# Altium PCB driver_io.PcbDoc (part 1 of 2) (continued)
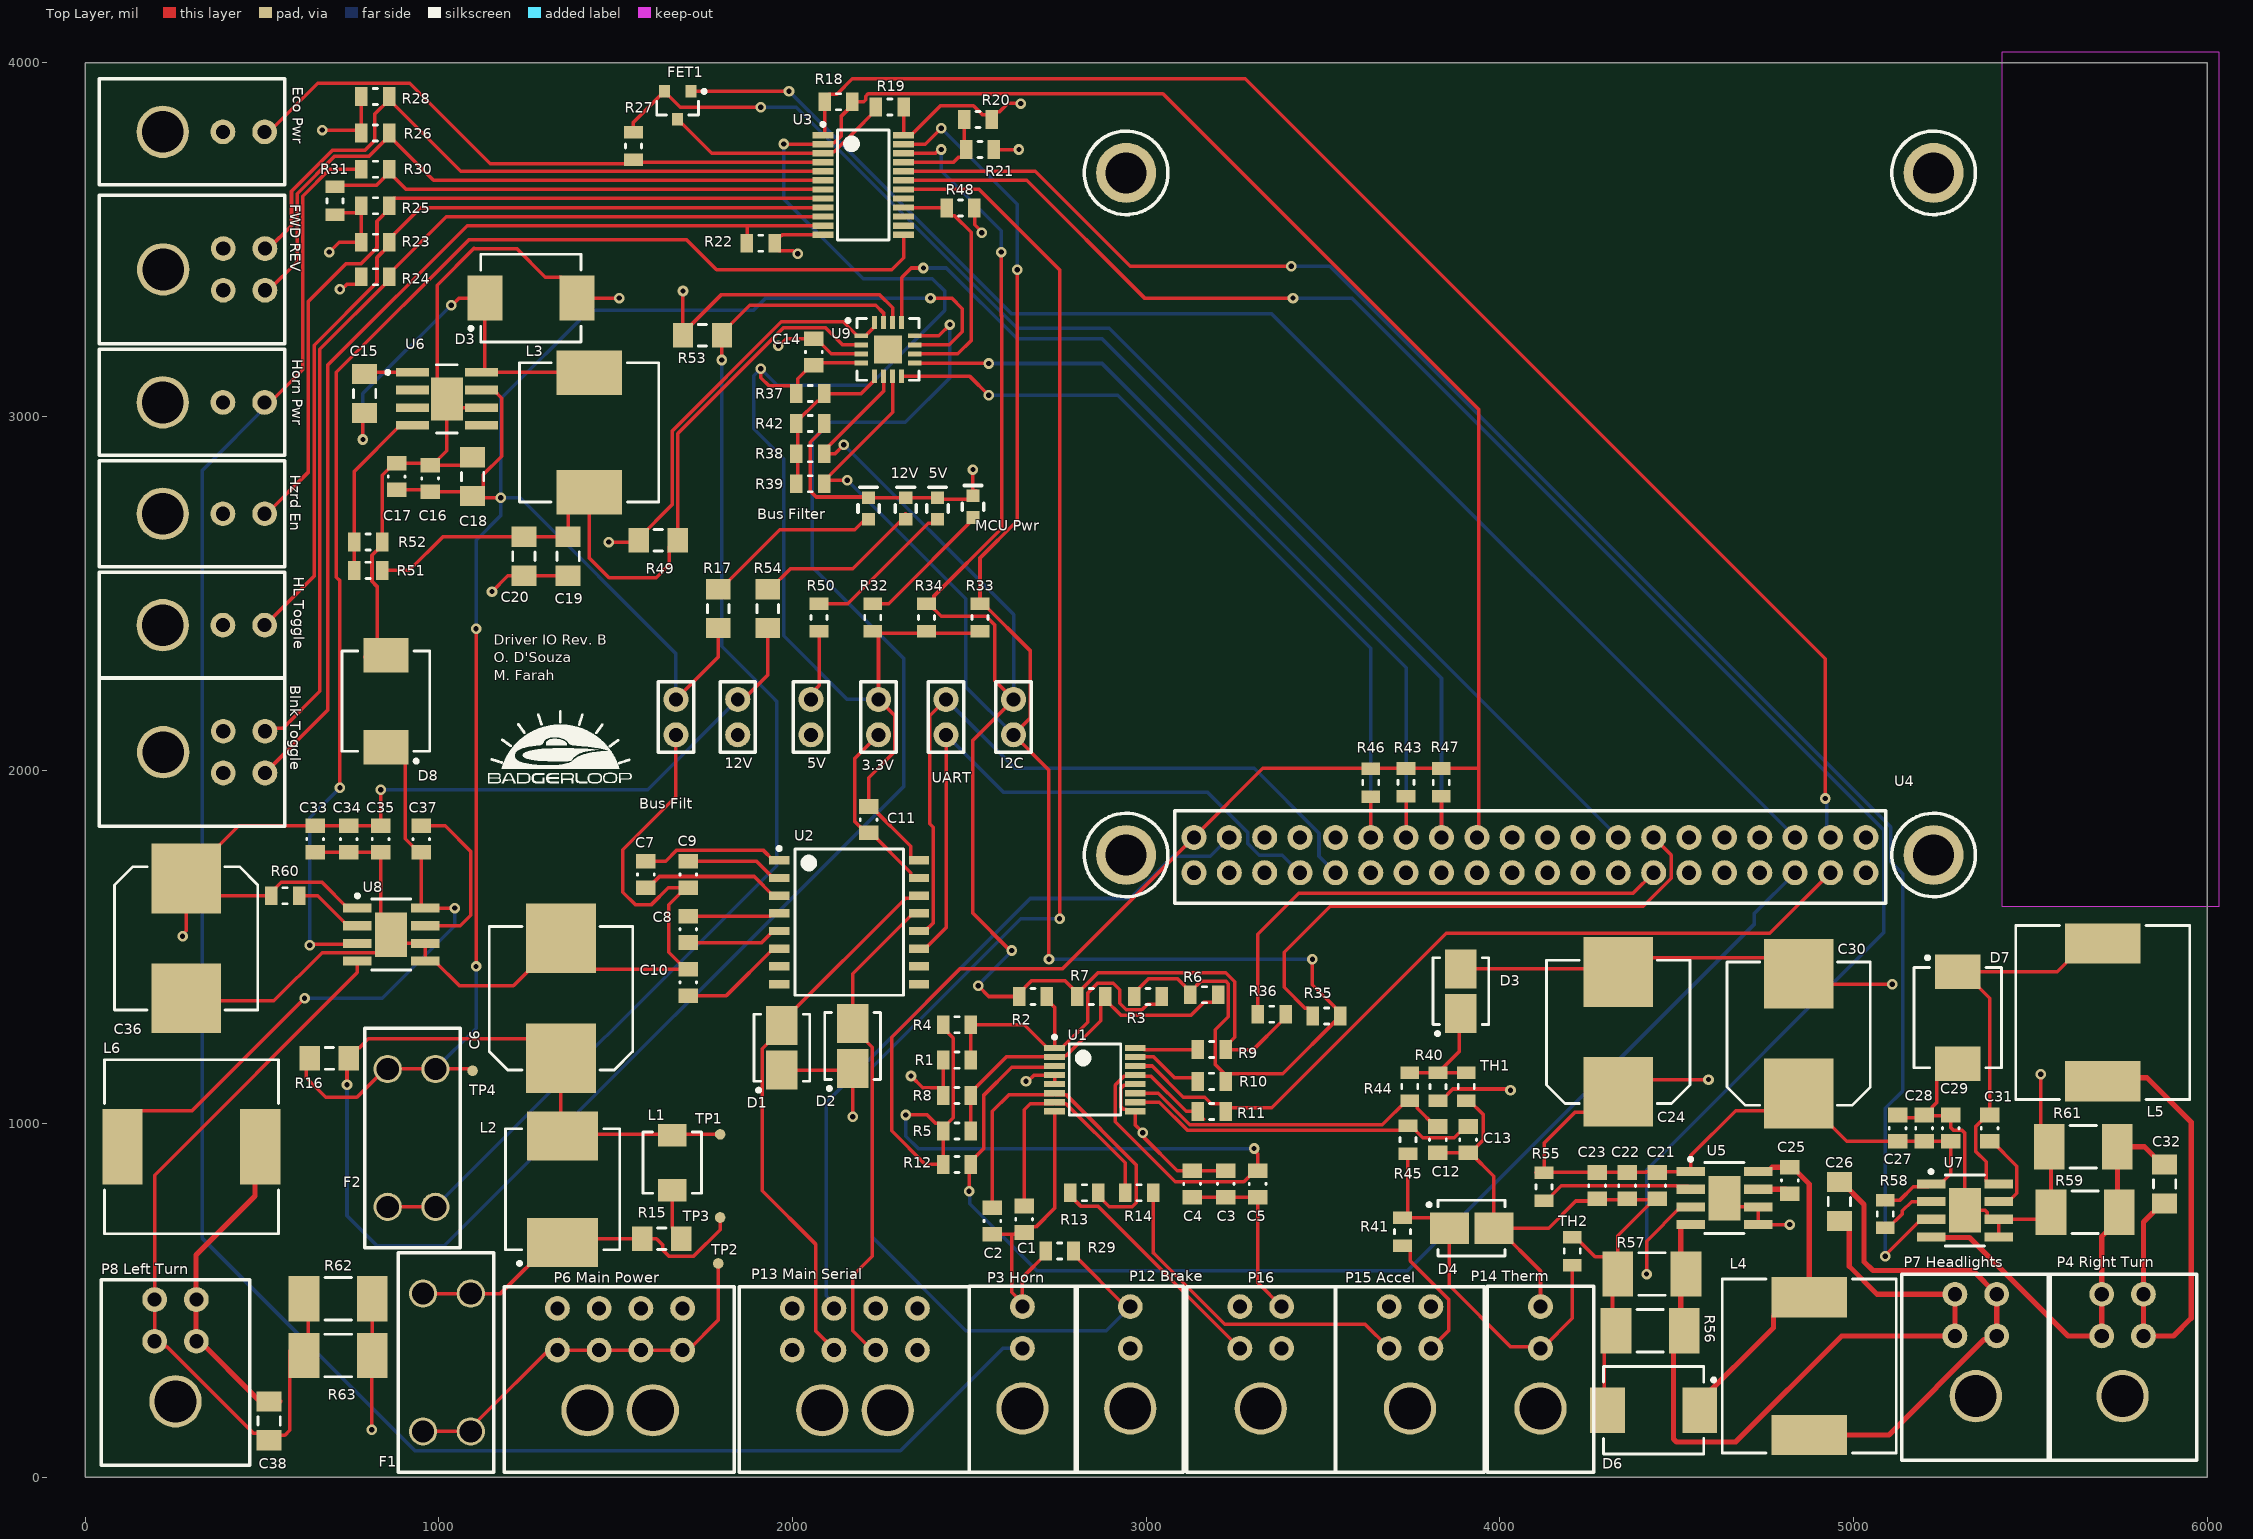
[diagram p0: Top Layer view]
## Design rules (kind name [scope] priority, off if disabled: settings)
Clearance [All] p1: gap=6 ignorepadtopadclearanceinfootprint=TRUE except(0: Arc-Hole Track-Hole SMDPad-Hole THPad-Hole Via-Hole Fill-Hole Poly-Hole Region-Hole Text-Hole)
HoleSize [All] p1: absolutevalues=TRUE maxlimit=150 minlimit=1 maxpercent=80.000 minpercent=20.000
HoleToHoleClearance [All] p1: gap=5 allowstackedmicrovias=TRUE
MinimumAnnularRing [All] p1: minimumring=5
MinimumSolderMaskSliver [All] p1: minsoldermaskwidth=1
PlaneClearance [All] p1: clearance=20
PlaneConnect [All] p1: planeconnectstyle=Relief reliefexpansion=20 reliefentries=4 reliefconductorwidth=10 reliefairgap=10
PolygonConnect [All] p1: connectstyle=Direct reliefconductorwidth=10 reliefentries=4 polygonreliefangle="90 Angle" airgapwidth=10
RoutingVias [All] p1: holewidth=28 width=50 viastyle="Through Hole" minholewidth=28 minwidth=50 maxholewidth=28 maxwidth=50
SilkToSilkClearance [All] p1: silktosilkclearance=0
SilkToSolderMaskClearance [IsPad] p1: minsilkscreentomaskgap=0 clearancetoexposedcopper=TRUE
SolderMaskExpansion [All] p1: expansion=4 istentingtop=FALSE
Width [All] p1 off: maxlimit=10 minlimit=10 preferedwidth=10
23 further rules are at their usual default settings.

## Classes and differential pairs
component class Serial_Interface: C7 C8 C9 C10 C11 D1 D2 U2
component class power_12v: 12V F2 R53 R54
component class power_5v: 5V C15 C16 C17 C18 C19 C20 L3 R49 R50 R51 R52 U6
component class misc_sensors: C12 C13 C14 D3 D4 R37 R38 R39 R40 R41 R42 R43 R44 R45 R46 R47 R48 TH1 TH2 U9
component class MCU: "MCU Pwr" R32 R33 R34 R35 R36
component class gpio: FET1 R18 R19 R20 R21 R22 R23 R24 R25 R26 R27 R28 R29 R30 R31 U3
component class ext_light_interface_frontturn: C27 C28 C29 C30 C31 C32 C33 C34 C35 C36 C37 C38 D7 D8 L5 L6 R58 R59 R60 R61 R62 R63 U7 U8
component class ext_light_interface_frontheadlight: C21 C22 C23 C24 C25 C26 D6 L4 R55 R56 R57 U5
component class connectors: 3.3V 5V 12V "Blnk Toggle" "Bus Filt" "Eco Pwr" FWD/REv "HL Toggle" "Horn Pwr" "Hzrd En" I2C "P3 Horn" "P4 Right Turn" "P6 Main Power" "P8 Left Turn" "P12 Brake" "P13 Main Serial" "P14 Therm" "P15 Accel" P16 UART
component class bus_filter: "Bus Filter" C6 F1 L1 L2 R15 R16 R17 TP1 TP2 TP3 TP4
component class adc: C1 C2 C3 C4 C5 R1 R2 R3 R4 R5 R6 R7 R8 R9 R10 R11 R12 R13 R14 U1

## Components (designator, comment, footprint, x,y, rotation, side; value= is the part's Value field where it differs from the comment)
3.3V "Header 2" "Pin Header 1x2 TH Pitch 2.54mm" 2243,2200 r270 top (schematic designator P17)
5V "Header 2" "Pin Header 1x2 TH Pitch 2.54mm" 2052,2200 r270 top (schematic designator P18)
5V "LED RED 0603" "LED 0603 RED" 2410,2740 r90 top (schematic designator LED3)
12V "Header 2" "Pin Header 1x2 TH Pitch 2.54mm" 1845,2200 r270 top (schematic designator P20)
12V "LED RED 0603" "LED 0603 RED" 2320,2740 r90 top (schematic designator LED4)
"Blnk Toggle" "43045-0400" 430450400 220,2051 r270 top (schematic designator P2)
"Bus Filt" "Header 2" "Pin Header 1x2 TH Pitch 2.54mm" 1670,2200 r270 top (schematic designator P22)
"Bus Filter" "LED RED 0603" "LED 0603 RED" 2215,2740 r90 top (schematic designator LED1)
C1 "0.1UF" SMD-0805C 2655,730 r270 top
C2 "0.1UF" SMD-0805C 2565,725 r270 top
C3 "0.1UF" SMD-0805C 3225,830 r270 top
C4 "0.1UF" SMD-0805C 3130,830 r270 top
C5 "0.1UF" SMD-0805C 3315,830 r270 top
C6 "PCR1J101MCL1GS" CAPAE110103X126M 1345,1355 r90 top
C7 "0.10µF" SMD-0805C 1585,1705 r90 top
C8 "0.10µF" SMD-0805C 1705,1550 r90 top
C9 "0.1UF" SMD-0805C 1705,1705 r270 top
C10 "0.1UF" SMD-0805C 1705,1400 r90 top
C11 "0.1UF" SMD-0805C 2215,1860 r270 top
C12 "0.1UF" SMD-0805C 3825,955 r270 top
C13 "0.1UF" SMD-0805C 3910,955 r270 top
C14 "0.1UF" SMD-0805C 2060,3182.6 r90 top
C15 "10000pF" SMD-1206C 790,3065 r270 top
C16 "4.7µF" SMD-0805C 975,2825 r90 top
C17 "4.7µF" SMD-0805C 880,2830 r90 top
C18 "10000pF" SMD-1206C 1095,2830 r90 top
C19 "0.033µF" SMD-1206C 1365,2605 r270 top
C20 "10000pF" SMD-1206C 1240,2605 r270 top
C21 "10µF" SMD-0805C 4445,825 r270 top
C22 "10µF" SMD-0805C 4360,825 r270 top
C23 "10µF" SMD-0805C 4275,825 r270 top
C24 "16SVPG47M" CAPAE110103X126M 4335,1260 r90 top
C25 "0.10µF" SMD-0805C 4820,840 r90 top
C26 "4.7µF" SMD-1206C 4960,780 r270 top
C27 "10µF" SMD-0805C 5125,987.6 r90 top
C28 "10µF" SMD-0805C 5200,987.6 r90 top
C29 "10µF" SMD-0805C 5275,987.6 r90 top
C30 "16SVPG47M" CAPAE110103X126M 4845,1255 r90 top
C31 "0.10µF" SMD-0805C 5385,987.6 r90 top
C32 "4.7µF" SMD-1206C 5880,830 r90 top
C33 "10µF" SMD-0805C 650,1805 r270 top
C34 "10µF" SMD-0805C 745,1805 r270 top
C35 "10µF" SMD-0805C 835,1805 r270 top
C36 "16SVPG47M" CAPAE110103X126M 285,1524.29 r270 top
C37 "0.10µF" SMD-0805C 950,1805 r270 top
C38 "4.7µF" SMD-1206C 520,160 r270 top
D1 "SMBJ8.0CA" DIOM4436X26N 1970,1215 r90 top
D2 "SMBJ8.0CA" DIOM4436X26N 2170,1220 r90 top
D3 "SSC54-E3/9AT" SSC54-E3/9AT 1260,3335 r180 top (schematic designator D5)
D3 "SMBJ15A" DIOM4436X26N 3890,1375 r90 top
D4 "SMBJ15A" DIOM4436X26N 3920,705 r0 top
D6 "SSC54-E3/9AT" SSC54-E3/9AT 4435,190 r0 top
D7 "SSC54-E3/9AT" SSC54-E3/9AT 5295,1300 r90 top
D8 "SSC54-E3/9AT" SSC54-E3/9AT 850,2195 r270 top
"Eco Pwr" "43045-0200" 430450200 219.05,3805 r270 top (schematic designator P10)
F1 "3568" "Fuse Holder 30A 500V 1 Circuit Blade Through Hole" 1090,130 r90 top
F2 "3568" "Fuse Holder 30A 500V 1 Circuit Blade Through Hole" 855,1155 r270 top
FET1 "N-MOS Enhancement Mode" SOT95P240X110-3N 1675,3880 r270 top
"FWD REV" "43045-0400" 430450400 220,3416 r270 top (schematic designator P9)
"HL Toggle" "43045-0200" 430450200 219.05,2410 r270 top (schematic designator P1)
"Horn Pwr" "43045-0200" 430450200 219.05,3040 r270 top (schematic designator P11)
"Hzrd En" "43045-0200" 430450200 219.05,2725 r270 top (schematic designator P5)
I2C "Header 2" "Pin Header 1x2 TH Pitch 2.54mm" 2625,2100 r90 top (schematic designator P19)
L1 "0410CDMCCDS-R10MC" INDM4442X20N 1660,890 r90 top
L2 "IHLP3232DZER1R0M11" INDM8682X40N 1350,815 r90 top
L3 "744066150" INDP100100X38N 1425,2955 r270 top
L4 "744771115" WE-PD-L 4875,315 r270 top
L5 "744771115" WE-PD-L 5705,1315 r270 top
L6 "744771115" WE-PD-L 300,935 r0 top
"MCU Pwr" "LED RED 0603" "LED 0603 RED" 2510,2745 r90 top (schematic designator LED2)
"P3 Horn" "43045-0200" 430450200 2650,195 r0 top (schematic designator P3)
"P4 Right Turn" "43045-0400" 430450400 5761,230 r0 top (schematic designator P4)
"P6 Main Power" "43045-0800" 430450800 1605,190 r0 top (schematic designator P6)
"P7 Headlights" "43045-0400" 430450400 5346,230 r0 top (schematic designator P7)
"P8 Left Turn" "43045-0400" 430450400 255,215 r0 top (schematic designator P8)
"P12 Brake" "43045-0200" 430450200 2955,195 r0 top (schematic designator P12)
"P13 Main Serial" "43045-0800" 430450800 2269,190 r0 top (schematic designator P13)
"P14 Therm" "43045-0200" 430450200 4115,195 r0 top (schematic designator P14)
"P15 Accel" "43045-0400" 430450400 3746,195 r0 top (schematic designator P15)
P16 "43045-0400" 430450400 3324,195 r0 top
R1 "0.0" SMD-0805-RES 2465,1180 r180 top
R2 "0.0" SMD-0805-RES 2680,1360 r180 top
R3 "0.0" SMD-0805-RES 3005,1360 r180 top
R4 "0.0" SMD-0805-RES 2465,1280 r180 top
R5 "0.0" SMD-0805-RES 2465,980 r180 top
R6 "0.0" SMD-0805-RES 3164.37,1365 r180 top
R7 "0.0" SMD-0805-RES 2845,1360 r180 top
R8 "0.0" SMD-0805-RES 2465,1080 r180 top
R9 "0.0" SMD-0805-RES 3185,1210 r180 top
R10 "0.0" SMD-0805-RES 3185,1120 r180 top
R11 "10k" SMD-0805-RES 3185,1035 r180 top
R12 "10k" SMD-0805-RES 2465,885 r0 top
R13 "30k" SMD-0805-RES 2825,805 r0 top
R14 "30k" SMD-0805-RES 2980,805 r180 top
R15 "0.18" SMD-1206-RES 1630,675 r0 top
R16 ".005" SMD-1206-RES 690,1185 r180 top
R17 "499" SMD-1206-RES 1790,2456.69 r90 top
R18 "10k" SMD-0805-RES 2130,3890 r0 top
R19 "10k" SMD-0805-RES 2275,3875 r0 top
R20 "0.0" SMD-0805-RES 2524.37,3840 r180 top
R21 "0.0" SMD-0805-RES 2530,3755 r0 top
R22 "10k" SMD-0805-RES 1910,3490 r0 top
R23 "10k" SMD-0805-RES 820,3493 r0 top
R24 "10k" SMD-0805-RES 820,3395 r180 top
R25 "10k" SMD-0805-RES 820,3596 r0 top
R26 "10k" SMD-0805-RES 820,3802 r180 top
R27 "10k" SMD-0805-RES 1550,3765 r270 top
R28 "10k" SMD-0805-RES 820,3905 r180 top
R29 "10k" SMD-0805-RES 2755,640 r0 top
R30 "1.8k" SMD-0805-RES 820,3699 r0 top
R31 "1k" SMD-0805-RES 706.14,3610 r270 top
R32 "62" SMD-0805-RES 2226.67,2431.69 r270 top
R33 "10k" SMD-0805-RES 2530,2431.69 r270 top
R34 "10k" SMD-0805-RES 2378.33,2431.69 r270 top
R35 "0.0" SMD-0805-RES 3510,1305 r0 top
R36 "0.0" SMD-0805-RES 3355,1310 r180 top
R37 "0.0" SMD-0805-RES 2050,3065 r180 top
R38 "0.0" SMD-0805-RES 2050,2895 r180 top
R39 "0.0" SMD-0805-RES 2050,2810 r180 top
R40 "10k" SMD-0805-RES 3825,1105 r270 top
R41 "10k" SMD-0805-RES 3725,695 r270 top
R42 "0.0" SMD-0805-RES 2050,2980 r180 top
R43 "10k" SMD-0805-RES 3735,1965.31 r270 top
R44 "30k" SMD-0805-RES 3745,1105 r270 top
R45 "30k" SMD-0805-RES 3740,955 r90 top
R46 "10k" SMD-0805-RES 3635,1964.68 r270 top
R47 "10k" SMD-0805-RES 3834.37,1965.31 r270 top
R48 "10k" SMD-0805-RES 2475,3590 r180 top
R49 ".005" SMD-1206-RES 1620,2650 r180 top
R50 "150" SMD-0805-RES 2075,2431.69 r270 top
R51 "10k" SMD-0805-RES 800,2565 r0 top
R52 "3.16k" SMD-0805-RES 800,2645 r180 top
R53 ".005" SMD-1206-RES 1745,3230 r180 top
R54 "499" SMD-1206-RES 1930,2456.69 r90 top
R55 "470k" SMD-0805-RES 4125,821.61 r270 top
R56 "35221R0JT" SMD-2512 4425,415 r0 top
R57 "35221R0JT" SMD-2512 4430,575 r0 top
R58 "470k" SMD-0805-RES 5090,745 r270 top
R59 "35221R0JT" SMD-2512 5655,750 r0 top
R60 "470k" SMD-0805-RES 565,1645 r0 top
R61 "35221R0JT" SMD-2512 5650,935 r0 top
R62 "35221R0JT" SMD-2512 715,345 r180 top
R63 "35221R0JT" SMD-2512 715,505 r180 top
TH1 "NCP21XM472J03RA" SMD-0805-RES 3905,1105 r90 top
TH2 "NCP21XM472J03RA" SMD-0805-RES 4205,640 r270 top
TP1 "TP" "Test Point" 1795,970 r90 top
TP2 "TP" "Test Point" 1790,605 r90 top
TP3 "TP" "Test Point" 1795,735 r90 top
TP4 "TP" "Test Point" 1095,1150 r90 top
U1 "ADS1219IPWR" TSOP65P640X120-16N 2855,1125 r0 top
U2 "MAX3232IDW" SOP127P1060X175-16N 2160,1570 r0 top
U3 "TCA6416PWR" TSOP65P640X120-24N 2200,3655 r0 top
U4 "RASPBERRY PI 4 MODEL B" "Raspberry Pi Model 3B+" 2937.27,1760 r90 top
U5 "IS32LT3952-GRLA3-TR" IS32LT3952-GRLA3-TR 4635,790 r0 top
U6 "TPS5450MDDAREP" TPS5450QDDARQ1 1022.5,3050 r0 top
U7 "IS32LT3952-GRLA3-TR" IS32LT3952-GRLA3-TR 5315,755 r0 top
U8 "IS32LT3952-GRLA3-TR" IS32LT3952-GRLA3-TR 865,1535 r0 top
U9 "INA3221AIRGVT" INA3221AIRGVT 2270,3190 r0 top
UART "Header 2" "Pin Header 1x2 TH Pitch 2.54mm" 2434,2200 r270 top (schematic designator P21)

## Footprints (in the part's own frame and the unit in brackets; to place one, negate y for a bottom-side part, rotate by r counter-clockwise, add the part's x,y. Pads: shape width x height; smd on the part's side, far side on the other; paste and mask are expansions set on the pad)
430450200 [mil]
  round 70 hole 40: 1(0,170) 2(0,288)
  round 148 hole 118: 3(0,0)
  silkscreen extent -150,-180 150,345, body extent -141,-185 141,297, height 340
430450400 [mil]
  round 70 hole 40: 1(59,170) 2(-59,170) 3(59,288) 4(-59,288)
  round 148 hole 118: 5(0,0)
  silkscreen extent -210,-181 210,344, body extent -200,-180 200,302, height 340
430450800 [mil]
  round 70 hole 40: 1(84,170) 2(-34,170) 3(-152,170) 4(-270,170) 5(84,288) 6(-34,288) 7(-152,288) 8(-270,288)
  round 148 hole 118: 9(-185,0) 9(0,0)
  silkscreen extent -420,-176 230,349, body extent -413,-180 223,302, height 340
CAPAE110103X126M [mm] "Aluminum Electrolytic Capacitor, Body 10.30x10.30x12.60mm, IPC Low Density"
  rect 5x5 smd: 1(-4.3,0) 2(4.3,0)
  silkscreen extent -5.15,-5.15 5.15,5.15, body extent -5.5,-5.15 5.5,5.15, height 12.6
DIOM4436X26N [mm] "Molded Diode, 2-Leads, Body 4.40x3.62mm, IPC Medium Density"
  rect 2.8x2.26 smd: 1(-1.6,0) 2(1.6,0)
  silkscreen extent -3.17,-2 2.4,2, body extent -2.6,-1.97 2.6,1.97, height 2.61
"Fuse Holder 30A 500V 1 Circuit Blade Through Hole" [mil]
  round 80 hole 63: 1(0,135) 1(0,0) 2(390,0) 2(390,135)
  silkscreen extent -115,-65 505,205, body extent -110,-60 505,200, height 290
INA3221AIRGVT [mm] "QFN, 16-Leads, Body 4.15x4.15mm, Pitch 0.65mm, Thermal Pad 2.1x2.1mm, IPC Medium Density"
  rect 0.95x0.35 smd: 1(-1.925,0.975) 2(-1.925,0.325) 3(-1.925,-0.325) 4(-1.925,-0.975) 9(1.925,-0.975) 10(1.925,-0.325) 11(1.925,0.325) 12(1.925,0.975)
  rect 0.35x0.95 smd: 5(-0.975,-1.925) 6(-0.325,-1.925) 7(0.325,-1.925) 8(0.975,-1.925) 13(0.975,1.925) 14(0.325,1.925) 15(-0.325,1.925) 16(-0.975,1.925)
  rect 2x2 smd: 17(0,0)
  silkscreen extent -3,-2.22 2.22,2.22, body extent -2.07,-2.07 2.07,2.07, height 1
INDM4442X20N [mm] "Molded Inductor, 2-Leads, Body 4.40x4.20mm, IPC Medium Density"
  rect 1.6x2.05 smd: 1(-1.975,0) 2(1.975,0)
  silkscreen extent -2.2,-2.1 2.2,2.1, body extent -2.42,-2.1 2.42,2.1, height 2
INDM8682X40N [mm] "Molded Inductor, 2-Leads, Body 8.64x8.18mm, IPC Medium Density"
  rect 3.5x5.1 smd: 1(-3.825,0) 2(3.825,0)
  silkscreen extent -5.45,-4.1 4.35,4.1, body extent -4.54,-4.09 4.54,4.09, height 4
INDP100100X38N [mm]
  rect 3.2x4.7 smd: 1(-4.3,0) 2(4.3,0)
  silkscreen extent -5,-5 5,5, body extent -5.1,-5 5.1,5, height 3.9
IS32LT3952-GRLA3-TR [mm] "8-SOP-EP, PMIC LED Driver for Automotive, Lumissil Microsystems"
  rect 2.05x0.66 smd: 1(-2.43,1.905) 2(-2.43,0.635) 3(-2.43,-0.635) 4(-2.43,-1.905) 5(2.43,-1.905) 6(2.43,-0.635) 7(2.43,0.635) 8(2.43,1.905)
  rect 2.3x3.2 smd: 9(0,0)
  silkscreen extent -2.55,-2.55 1.41,2.91, body extent -3,-2.55 3,2.55, height 1.7
"LED 0603 RED" [mm] "Chip Diode, 2-Leads, Body 1.60x0.80mm, IPC Medium Density"
  rect 0.9x0.95 smd: 1(-0.775,0) 2(0.775,0)
  silkscreen extent -0.25,-0.76 1.52,0.76, body extent -0.8,-0.4 0.8,0.4, height 0.8
"Pin Header 1x2 TH Pitch 2.54mm" [mm] "PinHeader 1x2 TH Pitch 2.54mm"
  round 1.8 hole 1: 1(0,0) 2(2.54,0)
  silkscreen extent -1.27,-1.27 3.81,1.27, body extent -1.27,-1.27 3.81,1.27, height 9.5
"Raspberry Pi Model 3B+" [mil]
  round 70.8 hole 40: 1(50,-197.73) 2(-50,-197.73) 3(50,-297.73) 4(-50,-297.73) 5(50,-397.73) 6(-50,-397.73) 7(50,-497.73) 8(-50,-497.73) 9(50,-597.73) 10(-50,-597.73) 11(50,-697.73) 12(-50,-697.73) 13(50,-797.73) 14(-50,-797.73) 15(50,-897.73) 16(-50,-897.73) 17(50,-997.73) 18(-50,-997.73) 19(50,-1097.73) 20(-50,-1097.73) 21(50,-1197.73) 22(-50,-1197.73) 23(50,-1297.73) 24(-50,-1297.73) 25(50,-1397.73) 26(-50,-1397.73) 27(50,-1497.73) 28(-50,-1497.73) 29(50,-1597.73) 30(-50,-1597.73) 31(50,-1697.73) 32(-50,-1697.73) 33(50,-1797.73) 34(-50,-1797.73) 35(50,-1897.73) 36(-50,-1897.73) 37(50,-1997.73) 38(-50,-1997.73) 39(50,-2097.73) 40(-50,-2097.73)
  round 169.29 hole 116 unplated: 2(0,-6) 2(0,-2289.46) 2(1929.13,-6) 2(1929.13,-2289.46)
  silkscreen extent -137,-2408 2047,112, body extent -146,-3304 2155,132, height 494
SMD-0805-RES [mm]
  rect 0.9x1.35 smd: 1(-1,0) 2(1,0)
  silkscreen extent -0.15,-0.58 0.15,0.58, body extent -1.1,-0.67 1.1,0.67, height 0.5
SMD-0805C [mm]
  rect 1.05x1.4 smd: 1(-0.95,0) 2(0.95,0)
  silkscreen extent -0.05,-0.6 0.05,0.6, body extent -1.1,-0.67 1.1,0.67, height 0.5
SMD-1206-RES [mm]
  rect 1.45x1.75 smd: 1(-1.4,0) 2(1.4,0)
  silkscreen extent -0.3,-0.77 0.3,0.77, body extent -1.78,-0.87 1.78,0.87, height 0.5
SMD-1206C [mm]
  rect 1.45x1.8 smd: 1(-1.4,0) 2(1.4,0)
  silkscreen extent -0.3,-0.8 0.3,0.8, body extent -1.78,-0.87 1.78,0.87, height 0.5
SMD-2512 [mm] "Chip Resistor, 2-Leads, Body 6.35x3.20mm, IPC Medium Density"
  rect 2.2x3.25 smd: 1(-2.45,0) 2(2.45,0)
  silkscreen extent -0.95,-1.52 0.95,1.53, body extent -3.17,-1.6 3.17,1.6, height 1.1
SOP127P1060X175-16N [mm] "SOP, 16-Leads, Body 10.50x7.50mm, Pitch 1.27mm, IPC Medium Density"
  rect 1.45x0.6 smd: 1(-5.025,4.445) 2(-5.025,3.175) 3(-5.025,1.905) 4(-5.025,0.635) 5(-5.025,-0.635) 6(-5.025,-1.905) 7(-5.025,-3.175) 8(-5.025,-4.445) 9(5.025,-4.445) 10(5.025,-3.175) 11(5.025,-1.905) 12(5.025,-0.635) 13(5.025,0.635) 14(5.025,1.905) 15(5.025,3.175) 16(5.025,4.445)
  silkscreen extent -5.15,-5.25 3.9,5.42, body extent -5.32,-5.25 5.32,5.25, height 1.75
SOT95P240X110-3N [mm] "SOT23, 3-Leads, Body 2.90x2.40mm, Pitch 0.95mm, IPC Medium Density"
  rect 0.9x0.8 smd: 1(-1,0.95) 2(1,0) 3(-1,-0.95)
  silkscreen extent -1.12,-1.5 0.7,2.03, body extent -0.7,-1.5 0.7,1.5, height 1.1
SSC54-E3/9AT [mm] "Molded Diode, 2-Leads, Body 6.86x5.91mm, IPC Medium Density"
  rect 2.5x3.25 smd: 1(-3.305,0) 2(3.305,0)
  silkscreen extent -3.6,-3.15 4.43,3.15, body extent -3.55,-3.11 3.55,3.11, height 2.62
"Test Point" [mil] "SMD Test Point"
  round 30 smd: 1(0,0)
TPS5450QDDARQ1 [mm]
  rect 2.353x0.622 smd paste+0 mask+0: 1(-2.477,1.905) 2(-2.477,0.635) 3(-2.477,-0.635) 4(-2.477,-1.905) 5(2.477,-1.905) 6(2.477,-0.635) 7(2.477,0.635) 8(2.477,1.905)
  rect 2.3x3.1 smd paste-1000 mask+0: 9(0,0)
  silkscreen extent -4.37,-2.45 0.75,2.45, body extent -4.15,-2.95 4.15,2.95, height 0.25
TSOP65P640X120-16N [mm] "TSOP, 16-Leads, Body 5.00x4.40mm, Pitch 0.65mm, IPC Medium Density"
  rect 1.5x0.45 smd: 1(-2.9,2.275) 2(-2.9,1.625) 3(-2.9,0.975) 4(-2.9,0.325) 5(-2.9,-0.325) 6(-2.9,-0.975) 7(-2.9,-1.625) 8(-2.9,-2.275) 9(2.9,-2.275) 10(2.9,-1.625) 11(2.9,-0.975) 12(2.9,-0.325) 13(2.9,0.325) 14(2.9,0.975) 15(2.9,1.625) 16(2.9,2.275)
  silkscreen extent -3.02,-2.55 1.85,3.17, body extent -3.2,-2.55 3.2,2.55, height 1.2
TSOP65P640X120-24N [mm] "TSOP, 24-Leads, Body 7.80x4.40mm, Pitch 0.65mm, IPC Medium Density"
  rect 1.5x0.45 smd: 1(-2.9,3.575) 2(-2.9,2.925) 3(-2.9,2.275) 4(-2.9,1.625) 5(-2.9,0.975) 6(-2.9,0.325) 7(-2.9,-0.325) 8(-2.9,-0.975) 9(-2.9,-1.625) 10(-2.9,-2.275) 11(-2.9,-2.925) 12(-2.9,-3.575) 13(2.9,-3.575) 14(2.9,-2.925) 15(2.9,-2.275) 16(2.9,-1.625) 17(2.9,-0.975) 18(2.9,-0.325) 19(2.9,0.325) 20(2.9,0.975) 21(2.9,1.625) 22(2.9,2.275) 23(2.9,2.925) 24(2.9,3.575)
  silkscreen extent -3.02,-3.95 1.85,4.47, body extent -3.2,-3.95 3.2,3.95, height 1.2
WE-PD-L [mm] "SMD Inductor, 2-Leads, Body 12.0 x 12.0 mm"
  rect 2.9x5.4 smd: 1(-4.95,0) 2(4.95,0)
  silkscreen extent -6.25,-6.25 6.25,6.25, body extent -6,-6 6,6, height 5.98

## Part data
3.3V 5V 12V "Bus Filt" I2C UART: "Header, 2-Pin", LatestRevisionDate=17-Jul-2002, LatestRevisionNote="Re-released for DXP Platform.", Publisher="Altium Limited"
5V 12V "Bus Filter" "MCU Pwr": "Red 631nm LED Indication - Discrete 2V 0603 (1608 Metric)", Color=RED, Manufacturer="Lite-On Inc.", Manufacturer P/N=LTST-C190KRKT, Package / Case=0603, Digikey P/N=160-1436-1-ND
"Blnk Toggle" "FWD REV" "P15 Accel" P16: "Male connector dual row 90° 3 mm Pole no. 2x2 Micro-Fit, 43045-0400, Molex", Color=Black, Contact Resistance=10mR, Flammability Rating="UL94 V-0", Manufacturer=Molex, Max Operating Temperature=105°C, Max Voltage Rating (AC)=250V, Min Operating Temperature=-40°C, ComponentLink1Description=https://datasheet.ciiva.com/712/430450200-sd-712017.pdf?src-supplier=Digi-Key, ComponentLink1URL=https://datasheet.ciiva.com/712/430450200-sd-712017.pdf?src-supplier=Digi-Key, ComponentLink2Description=https://datasheet.ciiva.com/20209/22-3744e-20209522.pdf?src-supplier=Rapid+Electronics, ComponentLink2URL=https://datasheet.ciiva.com/20209/22-3744e-20209522.pdf?src-supplier=Rapid+Electronics, ComponentLink3Description=https://datasheet.ciiva.com/11746/0900766b80027348-11746988.pdf?src-supplier=RSComponents, ComponentLink3URL=https://datasheet.ciiva.com/11746/0900766b80027348-11746988.pdf?src-supplier=RSComponents, ComponentLink4Description=https://datasheet.ciiva.com/30193/145420430450400-pcb-headers-30193310.pdf?src-supplier=Onlinecomponents.com, ComponentLink4URL=https://datasheet.ciiva.com/30193/145420430450400-pcb-headers-30193310.pdf?src-supplier=Onlinecomponents.com, Connector Type="Male Pin", Contact Material=Brass, Contact Plating=Tin, Depth=12.2mm, Fastening Type=Ramp, Housing Color=Black, Housing Material=Polymer, Length=10.15mm, Manufacturer Part Number=43045-0400, Mount="Through Hole", Number of Contacts=4, Number of Positions=4, Number of Rows=2, Orientation="Right Angle", Packaging=Tray, Pitch=3mm, Pricing 1="1=1.33000, 10=1.16700, 100=1.00670, 500=0.82368, 1000=0.73216, 5000=0.64064, 10000=0.60861 (USD)", RoHS=Yes, Row Spacing=0.118inch, Stock 1=5904, Supplier 1=Digi-Key, Termination=Solder
C1 C2 C3 C4 C5 C9 C10 C11 C12 C13 C14: library part VJ0805Y104KXXCW1BC, "CAP CER 0.1uF 25V X7R 0805", Capacitance=100nF, Capacitor Type=Ceramic, Manufacturer=Vishay, Manufacturer Series=VJ, Max Operating Temperature=125°C, Min Operating Temperature=-55°C, Negative Tolerance=10%, Package Shape=Rectangular, Rated DC Voltage (URdc)=25V, Supplier Part Number 1=720-1537-1-ND, Temperature Characteristics Code=X7R, Category="Ceramic Capacitors", ComponentLink1Description=https://datasheet.ciiva.com:443/pdfs/VipMasterIC/IC/BEYS/BEYSS01735/BEYSS01735-1.pdf?src-supplier=IHS+Markit, ComponentLink1URL=https://datasheet.ciiva.com:443/pdfs/VipMasterIC/IC/BEYS/BEYSS01735/BEYSS01735-1.pdf?src-supplier=IHS+Markit, ComponentLink2Description=https://datasheet.ciiva.com/176/vjw1bcbascomseries-176875.pdf?src-supplier=Digi-Key, ComponentLink2URL=https://datasheet.ciiva.com/176/vjw1bcbascomseries-176875.pdf?src-supplier=Digi-Key, ComponentLink3Description=https://datasheet.ciiva.com/11491/vjw1bcbascomseries-11491758.pdf?src-supplier=Avnet, ComponentLink3URL=https://datasheet.ciiva.com/11491/vjw1bcbascomseries-11491758.pdf?src-supplier=Avnet, Dielectric Material=Ceramic, JESD-609 Code=e3, Manufacturer Part Number=VJ0805Y104KXXCW1BC, Mount="Surface Mount", Multilayer=Yes, Number of Pins=2, Packaging="Tape and Reel", Positive Tolerance=10%, Pricing 1="1=0.25000, 10=0.17100, 50=0.11380, 100=0.09680, 500=0.06832, 1000=0.05978 (USD)", REACH SVHC=Yes, RoHS=Yes, RoHS Compliant=Yes, Size Code=0805, Stock 1=38794, Supplier 1=Digi-Key, Terminal Finish=Tin, Termination=Wraparound
C6: "CAP ALUM POLY 100UF 20% 63V SMD", Capacitance=100uF, Case/Package=Radial, ESR (Equivalent Series Resistance)=24mR, Leakage Current=3uA, Manufacturer=Nichicon, Max Operating Temperature=125°C, Min Operating Temperature=-55°C, Package Quantity=1, Ripple Current=3A, Supplier Part Number 1=493-13783-1-ND, Tolerance=20%, Voltage=63V, ComponentLink1Description=https://datasheet.ciiva.com/29551/e-ch-ta-29551389.pdf?src-supplier=Digi-Key, ComponentLink1URL=https://datasheet.ciiva.com/29551/e-ch-ta-29551389.pdf?src-supplier=Digi-Key, ComponentLink2Description=https://datasheet.ciiva.com/29551/e-ch-ta-29551390.pdf?src-supplier=Digi-Key, ComponentLink2URL=https://datasheet.ciiva.com/29551/e-ch-ta-29551390.pdf?src-supplier=Digi-Key, ComponentLink3Description=https://datasheet.ciiva.com/29551/e-ch-ta-29551391.pdf?src-supplier=Digi-Key, ComponentLink3URL=https://datasheet.ciiva.com/29551/e-ch-ta-29551391.pdf?src-supplier=Digi-Key, Depth=10.3mm, Diameter=10mm, Dissipation Factor=0.08%, Height=12.7mm, Height - Seated (Max)=0.504inch, Lead Free="Lead Free", Lead Pitch=4.6mm, Length=12.7mm, Life (Hours)=4000Hour, Manufacturer Part Number=PCR1J101MCL1GS, Mount="Surface Mount,PCB", Packaging="Tape and Reel", Pricing 1="1=3.63000, 10=2.92800, 100=2.28380 (USD)", RoHS=Yes, Stock 1=11476, Supplier 1=Digi-Key, Termination=SMD/SMT, Voltage Rating=63V, Voltage Rating (DC)=63V, Weight=0.045856oz